# Altium PCB Lancelot.PcbDoc (part 4 of 14) (continued)
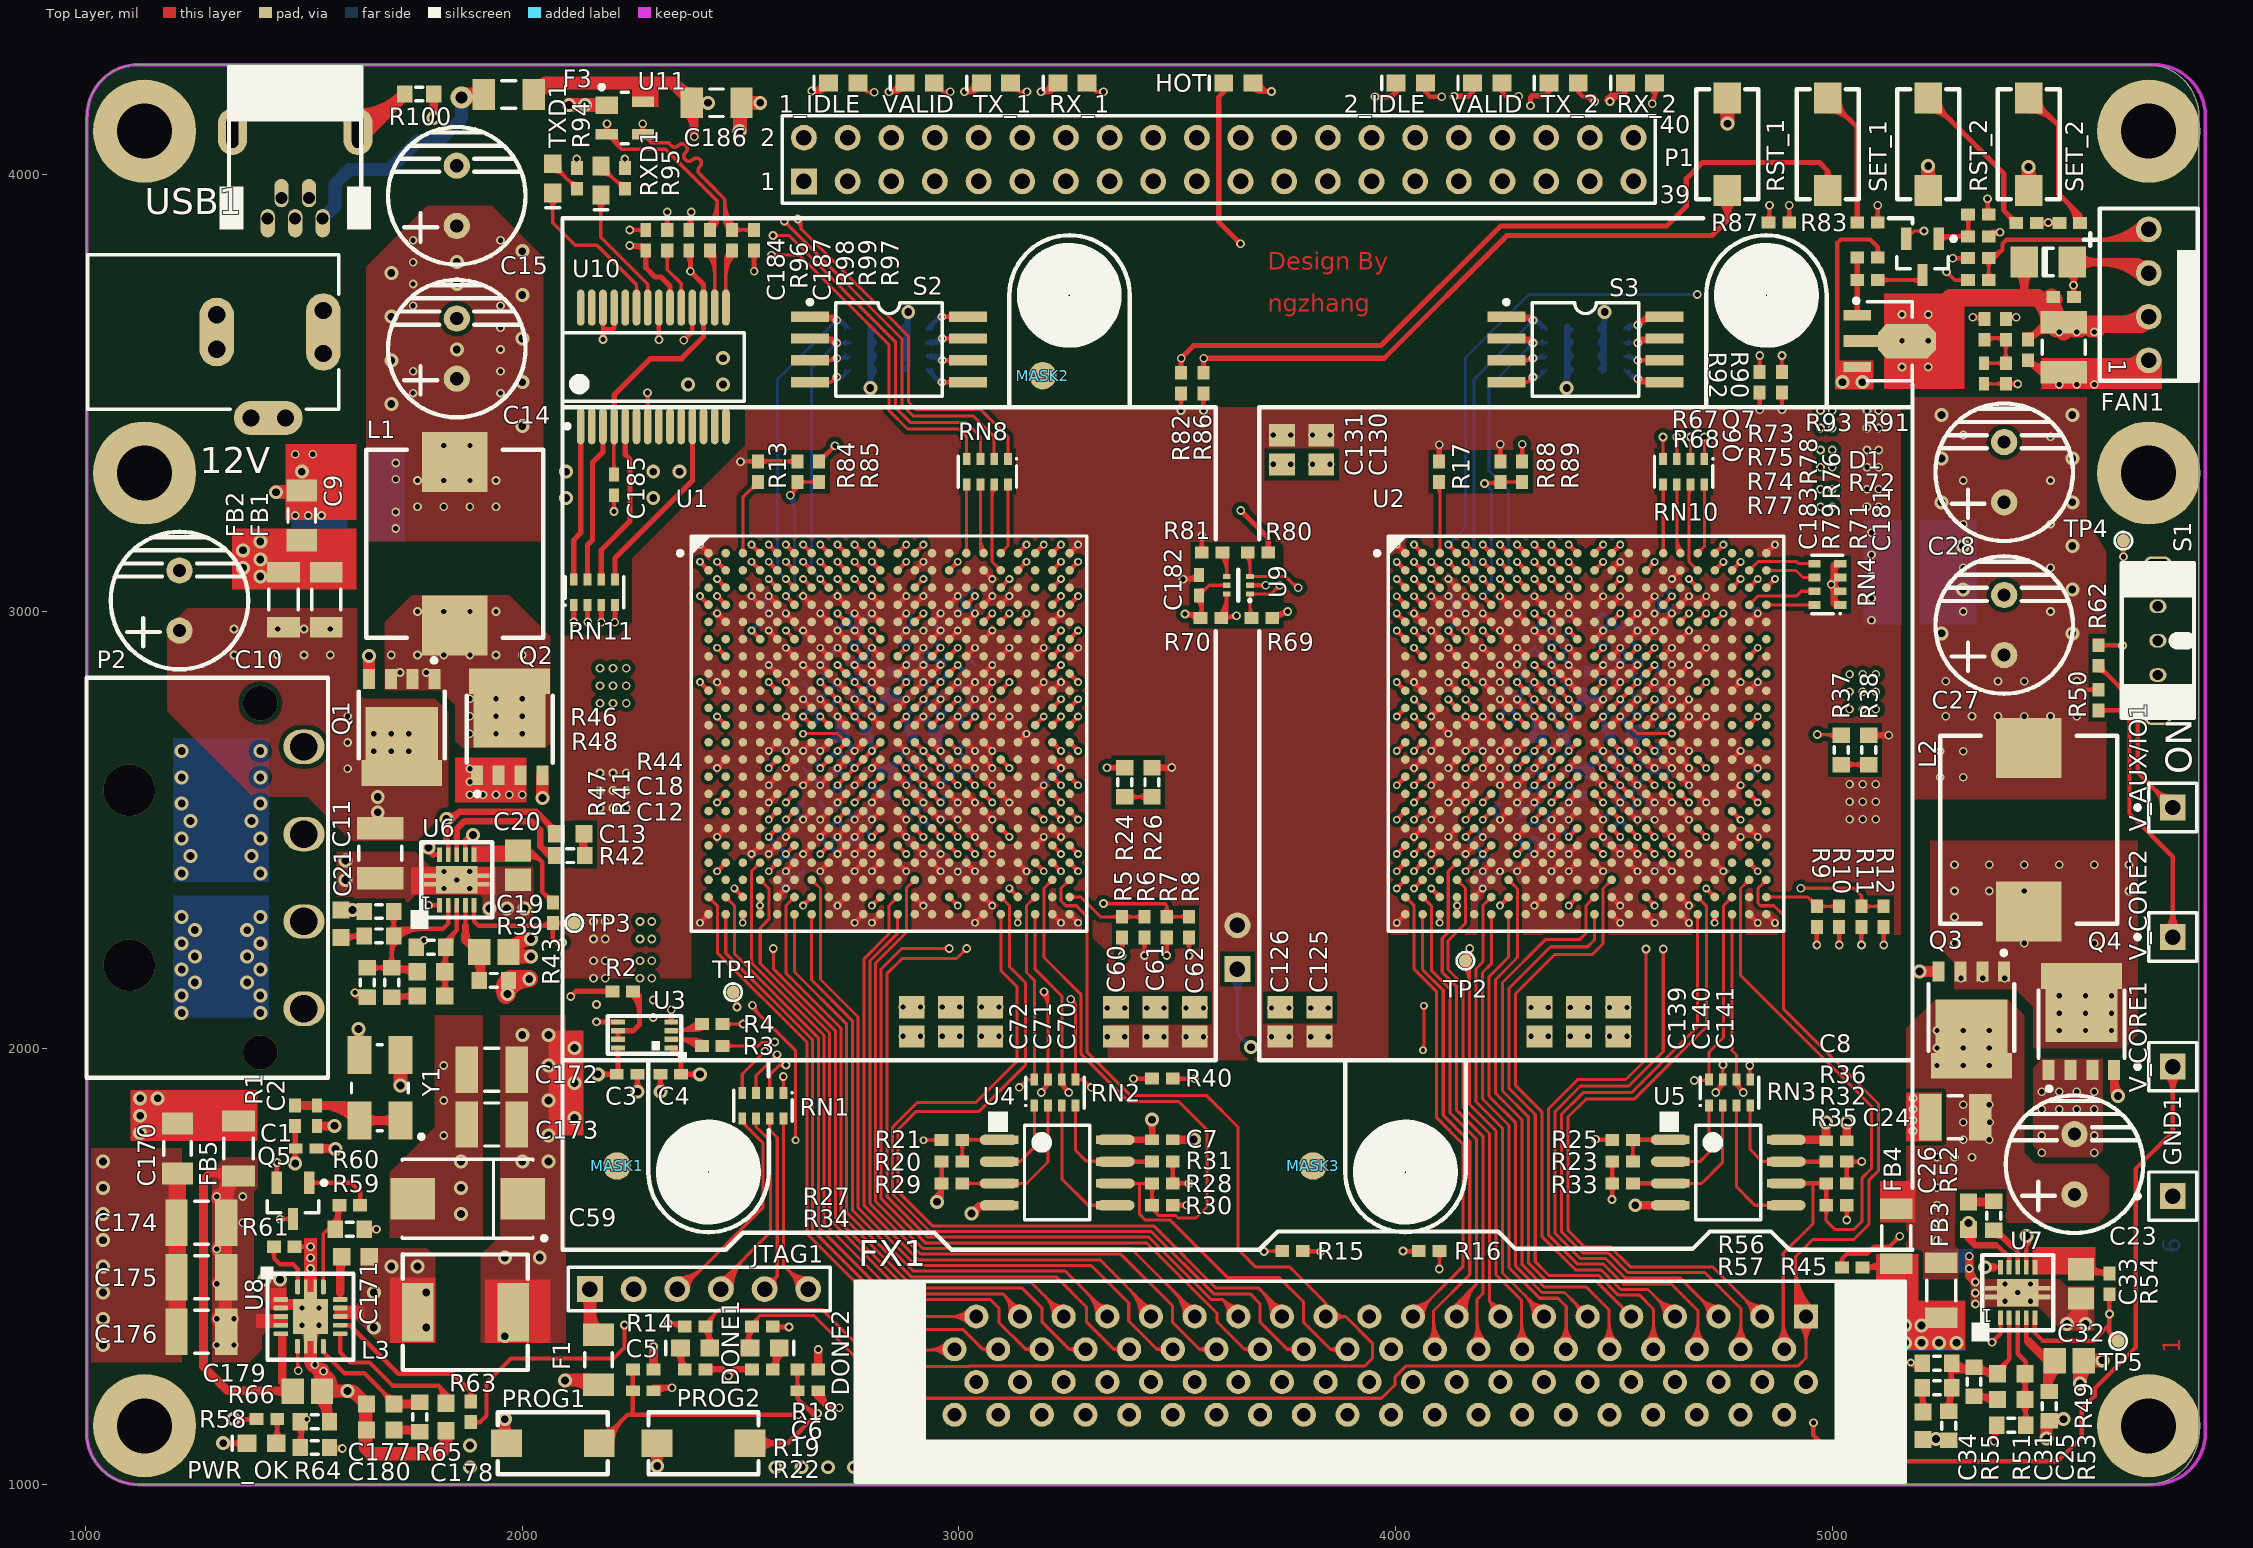
[diagram p0: Top Layer view]
## Nets (pads, with @x,y where several pads share a name; then routed paths per layer and width w, separated by ;. In a path a pad name is that pad's centre, name@x,y a point inside that pad or via, vN(x,y) a via of type N, cw(c..) or ccw(c..) an arc to the next point about the centre after c; other vN are vias at no path point) (continued)
FX1_FPGA1_3_P: P1.9 U1.C7 | length 1460.9
  Top Layer w10: v1@2643.15,3070.33 cw(c2643.15,3060.67) 2649.98,3067.5 cw(c2656.81,3074.33) v1@2647.15,3074.33 ; v1(2643.15,3074.33) U1.C7@2662.83,3054.65 ; U1.C7@2657.99,3054.65 ccw(c2646.3,3054.65) 2654.57,3062.91 ccw(c2662.83,3071.18) U1.C7@2662.83,3059.49
  Mid-Layer 4 w7: v1@2637.65,3074.33 ccw(c2624.37,3074.33) 2633.76,3083.72 ccw(c2643.15,3093.11) v1@2643.15,3079.83 ; v1(2643.15,3074.33) 2623.46,3094.02 2623.46,3211 2626.31,3213.84 2626.31,3250.73 2633.5,3257.92 2633.5,3274.08 2601,3306.58 2601,3708.8 2738.2,3846 2954,3846 2974.5,3866.5 ccw(c2966.72,3874.28) 2974.5,3882.06 2969.45,3887.11 cw(c2977.23,3894.88) 2969.45,3902.66 cw(c2977.23,3894.88) 2985.01,3902.66 2990.06,3897.61 ccw(c2997.83,3905.39) 3005.61,3897.61 3010.5,3902.5 3045,3937 ; P1.9@3030.8,3963.19 cw(c3013.76,3937) 3045,3937 ; P1.9@3034.62,3969.05 cw(c3022.16,3949.91) 3045,3949.91 cw(c3067.84,3949.91) P1.9@3055.38,3969.05 ; P1.9@3045,3970 3045,3937 ; P1.9@3059.2,3963.19 ccw(c3076.24,3937) 3045,3937
FX1_FPGA1_4_N: P1.12 U1.A8 | length 1593.8
  Top Layer w10: v1@2682.52,3149.07 cw(c2682.52,3139.41) 2689.35,3146.24 cw(c2696.18,3153.07) v1@2686.52,3153.07 ; v1(2682.52,3153.07) U1.A8@2702.2,3133.39 ; U1.A8@2697.36,3133.39 ccw(c2685.67,3133.39) 2693.94,3141.65 ccw(c2702.2,3149.92) U1.A8@2702.2,3138.23
  Mid-Layer 4 w7: v1@2678.63,3156.96 ccw(c2669.24,3166.35) 2682.52,3166.35 ccw(c2695.8,3166.35) v1@2686.41,3156.96 ; v1(2682.52,3153.07) 2682.52,3211 2680.68,3212.84 2680.68,3295.8 2653,3323.48 2653,3692 2752,3791 3032,3791 3184.03,3943.03 3184.03,4030.97 ; P1.12@3145,4058.97 cw(c3145,4032.35) 3163.83,4051.17 ; P1.12@3145,4070 3184.03,4030.97 ; P1.12@3149.89,4083.85 ccw(c3177.16,4077.45) 3157.36,4057.64 ; P1.12@3156.71,4082.25 ccw(c3191.56,4074.07) 3166.25,4048.75 ; P1.12@3163.52,4080.65 ccw(c3205.96,4070.68) 3175.14,4039.86 ; P1.12@3170.34,4079.05 ccw(c3220.35,4067.3) 3184.03,4030.97
FX1_FPGA1_4_P: P1.11 U1.B8 | length 1575.5
  Top Layer w10: v1@2682.52,3109.7 cw(c2682.52,3100.04) 2689.35,3106.87 cw(c2696.18,3113.7) v1@2686.52,3113.7 ; v1(2682.52,3113.7) U1.B8@2702.2,3094.02 ; U1.B8@2697.36,3094.02 ccw(c2685.67,3094.02) 2693.94,3102.28 ccw(c2702.2,3110.55) U1.B8@2702.2,3098.86
  Mid-Layer 4 w7: v1@2677.02,3113.7 ccw(c2663.74,3113.7) 2673.13,3123.09 ccw(c2682.52,3132.48) v1@2682.52,3119.2 ; v1(2682.52,3113.7) 2662.83,3133.39 2662.83,3211 2666.68,3214.84 2666.68,3290 2639,3317.68 2639,3697.8 2746.2,3805 3026.2,3805 3071,3849.8 ccw(c3063.22,3857.58) 3071,3865.36 3052.29,3884.07 cw(c3060.07,3891.85) 3052.29,3899.62 cw(c3060.07,3891.85) 3067.84,3899.62 3086.56,3880.91 ccw(c3094.33,3888.69) 3102.11,3880.91 3104.6,3883.4 3145,3923.8 ; P1.11@3126.95,3966.25 cw(c3086.07,3923.8) 3145,3923.8 ; P1.11@3131.8,3971.29 cw(c3101.92,3940.26) 3145,3940.26 cw(c3188.08,3940.26) P1.11@3158.2,3971.29 ; P1.11@3145,3970 3145,3923.8 ; P1.11@3163.05,3966.25 ccw(c3203.93,3923.8) 3145,3923.8
FX1_FPGA1_5_N: P1.14 U1.A9 | length 1642.1
  Top Layer w10: v1@2721.89,3149.07 cw(c2721.89,3139.41) 2728.72,3146.24 cw(c2735.55,3153.07) v1@2725.89,3153.07 ; v1(2721.89,3153.07) U1.A9@2741.57,3133.39 ; U1.A9@2736.73,3133.39 ccw(c2725.04,3133.39) 2733.31,3141.65 ccw(c2741.57,3149.92) U1.A9@2741.57,3138.23
  Mid-Layer 4 w7: v1@2718,3156.96 ccw(c2708.61,3166.35) 2721.89,3166.35 ccw(c2735.17,3166.35) v1@2725.78,3156.96 ; v1(2721.89,3153.07) 2721.89,3211 2720.05,3212.84 2720.05,3331.17 2692,3359.21 2692,3681 2762,3751 3067.8,3751 3247.77,3930.97 3261.17,3930.97 3284.03,3953.83 3284.03,4030.97 ; P1.14@3245,4058.97 cw(c3245,4032.35) 3263.83,4051.17 ; P1.14@3245,4070 3284.03,4030.97 ; P1.14@3249.89,4083.85 ccw(c3277.16,4077.45) 3257.36,4057.64 ; P1.14@3256.71,4082.25 ccw(c3291.56,4074.07) 3266.25,4048.75 ; P1.14@3263.52,4080.65 ccw(c3305.96,4070.68) 3275.14,4039.86 ; P1.14@3270.34,4079.05 ccw(c3320.35,4067.3) 3284.03,4030.97
FX1_FPGA1_5_P: P1.13 U1.C9 | length 1496.9
  Top Layer w10: v1@2721.89,3070.33 cw(c2721.89,3060.67) 2728.72,3067.5 cw(c2735.55,3074.33) v1@2725.89,3074.33 ; v1(2721.89,3074.33) U1.C9@2741.57,3054.65 ; U1.C9@2736.73,3054.65 ccw(c2725.04,3054.65) 2733.31,3062.91 ccw(c2741.57,3071.18) U1.C9@2741.57,3059.49
  Mid-Layer 4 w7: v1@2716.39,3074.33 ccw(c2703.11,3074.33) 2712.5,3083.72 ccw(c2721.89,3093.11) v1@2721.89,3079.83 ; v1(2721.89,3074.33) 2702.2,3094.02 2702.2,3211 2705.05,3213.84 2705.05,3324.95 2677,3353 2677,3687.21 2732.79,3743 2734.2,3743 2756.2,3765 3062,3765 3093.5,3796.5 ccw(c3085.72,3804.28) 3093.5,3812.06 cw(c3101.28,3819.83) 3093.5,3827.61 cw(c3101.28,3819.83) 3109.06,3827.61 ccw(c3116.83,3835.39) 3124.61,3827.61 ccw(c3116.83,3835.39) 3124.61,3843.17 cw(c3132.39,3850.95) 3124.61,3858.73 cw(c3132.39,3850.95) 3140.17,3858.73 ccw(c3147.95,3866.5) 3155.73,3858.73 3232,3935 3245,3948 ; P1.13@3236.2,3960.5 cw(c3231.72,3948) 3245,3948 ; P1.13@3245,3970 3245,3948 ; P1.13@3253.8,3960.5 ccw(c3258.28,3948) 3245,3948
FX1_FPGA1_6_N: P1.16 U1.A11 | length 1542.2
  Top Layer w10: v1@2800.63,3149.07 cw(c2800.63,3139.41) 2807.46,3146.24 cw(c2814.29,3153.07) v1@2804.63,3153.07 ; v1(2800.63,3153.07) U1.A11@2820.32,3133.39 ; U1.A11@2815.47,3133.39 ccw(c2803.78,3133.39) 2812.05,3141.65 ccw(c2820.32,3149.92) U1.A11@2820.32,3138.23
  Mid-Layer 4 w7: v1@2796.74,3156.96 ccw(c2787.35,3166.35) 2800.63,3166.35 ccw(c2813.91,3166.35) v1@2804.52,3156.96 ; v1(2800.63,3153.07) 2800.63,3211 2798.79,3212.84 2798.79,3438.79 2909,3549 2909,3652 2969,3712 3109.86,3712 3328.83,3930.97 3361.17,3930.97 3384.03,3953.83 3384.03,4030.97 ; P1.16@3345,4058.97 cw(c3345,4032.35) 3363.83,4051.17 ; P1.16@3345,4070 3384.03,4030.97 ; P1.16@3349.89,4083.85 ccw(c3377.16,4077.45) 3357.36,4057.64 ; P1.16@3356.71,4082.25 ccw(c3391.56,4074.07) 3366.25,4048.75 ; P1.16@3363.52,4080.65 ccw(c3405.96,4070.68) 3375.14,4039.86 ; P1.16@3370.34,4079.05 ccw(c3420.35,4067.3) 3384.03,4030.97
FX1_FPGA1_6_P: P1.15 U1.C11 | length 1373.8
  Top Layer w10: v1@2800.63,3070.33 cw(c2800.63,3060.67) 2807.46,3067.5 cw(c2814.29,3074.33) v1@2804.63,3074.33 ; v1(2800.63,3074.33) U1.C11@2820.32,3054.65 ; U1.C11@2815.47,3054.65 ccw(c2803.78,3054.65) 2812.05,3062.91 ccw(c2820.32,3071.18) U1.C11@2820.32,3059.49
  Mid-Layer 4 w7: v1@2795.13,3074.33 ccw(c2781.85,3074.33) 2791.24,3083.72 ccw(c2800.63,3093.11) v1@2800.63,3079.83 ; v1(2800.63,3074.33) 2780.94,3094.02 2780.94,3211 2783.79,3213.84 2783.79,3445 2894,3555.21 2894,3655 2895,3656 2895,3657.8 2963.2,3726 3104.06,3726 3203.03,3824.97 ccw(c3195.25,3832.75) 3203.03,3840.52 3201.8,3841.75 cw(c3209.58,3849.53) 3201.8,3857.31 cw(c3209.58,3849.53) 3217.36,3857.31 3218.59,3856.08 ccw(c3226.37,3863.86) 3234.14,3856.08 ccw(c3226.37,3863.86) 3234.14,3871.64 3232.91,3872.87 cw(c3240.69,3880.64) 3232.91,3888.42 cw(c3240.69,3880.64) 3248.47,3888.42 3249.7,3887.19 ccw(c3257.48,3894.97) 3265.26,3887.19 3331.72,3953.66 ; P1.15@3344.74,3958.97 ccw(c3344.55,3940.83) 3331.72,3953.66 ; P1.15@3345,3970 3345,3966.94 3331.72,3953.66
FX1_FPGA1_7_N: P1.18 U1.A12 | length 1654.4
  Top Layer w10: U1.A12@2859.69,3133.39 v1(2879.37,3153.07) ; U1.A12@2859.69,3138.23 ccw(c2859.69,3149.92) 2867.95,3141.65 ccw(c2876.22,3133.39) U1.A12@2864.53,3133.39 ; v1@2875.37,3153.07 cw(c2865.71,3153.07) 2872.54,3146.24 cw(c2879.37,3139.41) v1@2879.37,3149.07
  Mid-Layer 4 w7: v1@2875.48,3156.96 ccw(c2866.09,3166.35) 2879.37,3166.35 ccw(c2892.65,3166.35) v1@2883.26,3156.96 ; v1(2879.37,3153.07) 2879.37,3211 2877.53,3212.84 2877.53,3394.53 2930,3447 3279.8,3447 3459,3626.2 3459,3920 3484.03,3945.03 3484.03,4030.97 ; P1.18@3445,4058.97 cw(c3445,4032.35) 3463.83,4051.17 ; P1.18@3445,4070 3484.03,4030.97 ; P1.18@3449.89,4083.85 ccw(c3477.16,4077.45) 3457.36,4057.64 ; P1.18@3456.71,4082.25 ccw(c3491.56,4074.07) 3466.25,4048.75 ; P1.18@3463.52,4080.65 ccw(c3505.96,4070.68) 3475.14,4039.86 ; P1.18@3470.34,4079.05 ccw(c3520.35,4067.3) 3484.03,4030.97
FX1_FPGA1_7_P: P1.17 U1.B12 | length 1642.3
  Top Layer w10: U1.B12@2859.69,3094.02 v1(2879.37,3113.7) ; U1.B12@2859.69,3098.86 ccw(c2859.69,3110.55) 2867.95,3102.28 ccw(c2876.22,3094.02) U1.B12@2864.53,3094.02 ; v1@2875.37,3113.7 cw(c2865.71,3113.7) 2872.54,3106.87 cw(c2879.37,3100.04) v1@2879.37,3109.7
  Mid-Layer 4 w7: v1@2873.87,3113.7 ccw(c2860.6,3113.7) 2869.98,3123.09 ccw(c2879.37,3132.48) v1@2879.37,3119.2 ; v1(2879.37,3113.7) 2859.69,3133.39 2859.69,3211 2862.53,3213.84 2862.53,3400.74 2922.79,3461 3274,3461 3445,3632 3445,3820 ccw(c3434,3820) 3434,3831 3408.25,3831 cw(c3408.25,3842) 3397.25,3842 cw(c3408.25,3842) 3408.25,3853 3434,3853 ccw(c3434,3864) 3445,3864 P1.17@3445,3970 ; P1.17@3426.6,3966.6 cw(c3382.16,3922.16) 3445,3922.16 cw(c3507.84,3922.16) P1.17@3463.4,3966.6 ; P1.17@3431.55,3971.55 cw(c3399.06,3939.06) 3445,3939.06 cw(c3490.94,3939.06) P1.17@3458.45,3971.55
FX1_FPGA1_8_N: P1.20 U1.A13 | length 1671.9
  Top Layer w10: U1.A13@2899.06,3133.39 v1(2918.74,3153.07) ; U1.A13@2899.06,3138.23 ccw(c2899.06,3149.92) 2907.32,3141.65 ccw(c2915.59,3133.39) U1.A13@2903.9,3133.39 ; v1@2914.74,3153.07 cw(c2905.08,3153.07) 2911.91,3146.24 cw(c2918.74,3139.41) v1@2918.74,3149.07
  Mid-Layer 4 w7: v1@2914.85,3156.96 ccw(c2905.46,3166.35) 2918.74,3166.35 ccw(c2932.02,3166.35) v1@2922.63,3156.96 ; v1(2918.74,3153.07) 2918.74,3211 2916.99,3212.75 2916.99,3360.99 2957,3401 3293.8,3401 3559,3666.2 3559,3825.79 3584.03,3850.81 3584.03,4030.97 ; P1.20@3545,4058.97 cw(c3545,4032.35) 3563.83,4051.17 ; P1.20@3545,4070 3584.03,4030.97 ; P1.20@3549.89,4083.85 ccw(c3577.16,4077.45) 3557.36,4057.64 ; P1.20@3556.71,4082.25 ccw(c3591.56,4074.07) 3566.25,4048.75 ; P1.20@3563.52,4080.65 ccw(c3605.96,4070.68) 3575.14,4039.86 ; P1.20@3570.34,4079.05 ccw(c3620.35,4067.3) 3584.03,4030.97
FX1_FPGA1_8_P: P1.19 U1.C13 | length 1655.6
  Top Layer w10: U1.C13@2899.06,3054.65 v1(2918.74,3074.33) ; U1.C13@2899.06,3059.49 ccw(c2899.06,3071.18) 2907.32,3062.91 ccw(c2915.59,3054.65) U1.C13@2903.9,3054.65 ; v1@2914.74,3074.33 cw(c2905.08,3074.33) 2911.91,3067.5 cw(c2918.74,3060.67) v1@2918.74,3070.33
  Mid-Layer 4 w7: v1@2913.24,3074.33 ccw(c2899.97,3074.33) 2909.35,3083.72 ccw(c2918.74,3093.11) v1@2918.74,3079.83 ; v1(2918.74,3074.33) 2899.24,3093.83 2899.24,3211 2901.99,3213.75 2901.99,3367.2 2949.79,3415 3288,3415 3545,3672 3545,3846 cw(c3556,3846) 3556,3857 3560.03,3857 ccw(c3560.03,3868) 3571.03,3868 ccw(c3560.03,3868) 3560.03,3879 3556,3879 cw(c3556,3890) 3545,3890 P1.19@3545,3970 ; P1.19@3526.6,3966.6 cw(c3482.16,3922.16) 3545,3922.16 cw(c3607.84,3922.16) P1.19@3563.4,3966.6 ; P1.19@3531.55,3971.55 cw(c3499.06,3939.06) 3545,3939.06 cw(c3590.94,3939.06) P1.19@3558.45,3971.55
FX1_FPGA2_1_N: P1.24 U2.A5 | length 1388.2
  Top Layer w10: v1@4160.4,3149 cw(c4160.4,3139.34) 4167.23,3146.17 cw(c4174.06,3153) v1@4164.4,3153 ; v1(4160.4,3153) U2.A5@4180.09,3133.32 ; U2.A5@4175.24,3133.32 ccw(c4163.55,3133.32) 4171.82,3141.58 ccw(c4180.09,3149.85) U2.A5@4180.09,3138.16
  Mid-Layer 4 w7: 3714.86,4039.86 ccw(c3684.04,4070.68) P1.24@3726.48,4080.65 ; P1.24@3719.66,4079.05 cw(c3669.65,4067.3) 3705.97,4030.97 ; 3723.75,4048.75 ccw(c3698.44,4074.07) P1.24@3733.29,4082.25 ; 3726.17,4051.17 cw(c3745,4032.35) P1.24@3745,4058.97 ; 3732.64,4057.64 ccw(c3712.84,4077.45) P1.24@3740.11,4083.85 ; P1.24@3745,4070 3705.97,4030.97 ; v1@4156.51,3156.89 ccw(c4147.12,3166.28) 4160.4,3166.28 ccw(c4173.68,3166.28) v1@4164.29,3156.89 ; v1(4160.4,3153) 4160.4,3211 4163.24,3213.84 4163.24,3231.17 3730,3664.41 3730,3929.81 3705.97,3953.83 3705.97,4030.97
FX1_FPGA2_1_P: P1.23 U2.C5 | length 1376.2
  Top Layer w10: v1@4160.4,3070.26 cw(c4160.4,3060.6) 4167.23,3067.43 cw(c4174.06,3074.26) v1@4164.4,3074.26 ; v1(4160.4,3074.26) U2.C5@4180.09,3054.57 ; U2.C5@4175.24,3054.57 ccw(c4163.55,3054.57) 4171.82,3062.84 ccw(c4180.09,3071.11) U2.C5@4180.09,3059.42
  Mid-Layer 4 w7: P1.23@3726.6,3966.6 cw(c3682.16,3922.16) 3745,3922.16 cw(c3807.84,3922.16) P1.23@3763.4,3966.6 ; P1.23@3731.55,3971.55 cw(c3699.06,3939.06) 3745,3939.06 cw(c3790.94,3939.06) P1.23@3758.45,3971.55 ; P1.23@3745,3970 3745,3880 ccw(c3756,3880) 3756,3869 3762.97,3869 cw(c3762.97,3858) 3773.97,3858 cw(c3762.97,3858) 3762.97,3847 3756,3847 ccw(c3756,3836) 3745,3836 3745,3790 3745,3670.62 4178.24,3237.38 4178.24,3212.84 4180.09,3211 4180.09,3093.94 v1(4160.4,3074.26) ; v1@4160.4,3079.76 ccw(c4160.4,3093.04) 4169.79,3083.65 ccw(c4179.17,3074.26) v1@4165.9,3074.26
FX1_FPGA2_2_N: P1.26 U2.A6 | length 1363.1
  Top Layer w10: v1@4199.77,3149 cw(c4199.77,3139.34) 4206.6,3146.17 cw(c4213.43,3153) v1@4203.77,3153 ; v1(4199.77,3153) U2.A6@4219.46,3133.32 ; U2.A6@4214.61,3133.32 ccw(c4202.92,3133.32) 4211.19,3141.58 ccw(c4219.46,3149.85) U2.A6@4219.46,3138.16
  Mid-Layer 4 w7: 3814.86,4039.86 ccw(c3784.04,4070.68) P1.26@3826.48,4080.65 ; P1.26@3819.66,4079.05 cw(c3769.65,4067.3) 3805.97,4030.97 ; 3823.75,4048.75 ccw(c3798.44,4074.07) P1.26@3833.29,4082.25 ; 3826.17,4051.17 cw(c3845,4032.35) P1.26@3845,4058.97 ; 3832.64,4057.64 ccw(c3812.84,4077.45) P1.26@3840.11,4083.85 ; P1.26@3845,4070 3805.97,4030.97 ; v1@4195.88,3156.89 ccw(c4186.49,3166.28) 4199.77,3166.28 ccw(c4213.05,3166.28) v1@4203.66,3156.89 ; v1(4199.77,3153) 4199.77,3211 4202.61,3213.84 4202.61,3244.39 4122,3325 4122,3420 3829,3713 3829,3930.81 3805.97,3953.83 3805.97,4030.97
FX1_FPGA2_2_P: P1.25 U2.B6 | length 1376.7
  Top Layer w10: v1@4199.77,3109.63 cw(c4199.77,3099.97) 4206.6,3106.8 cw(c4213.43,3113.63) v1@4203.77,3113.63 ; v1(4199.77,3113.63) U2.B6@4219.46,3093.94 ; U2.B6@4214.61,3093.94 ccw(c4202.92,3093.94) 4211.19,3102.21 ccw(c4219.46,3110.48) U2.B6@4219.46,3098.79
  Mid-Layer 4 w7: P1.25@3826.6,3966.6 cw(c3784.58,3924.58) 3844,3924.58 ; P1.25@3831.55,3971.55 cw(c3801.48,3941.48) 3844,3941.48 ; 3844,3919.75 cw(c3910.25,3919.75) P1.25@3863.4,3966.6 ; 3844,3936.65 cw(c3893.35,3936.65) P1.25@3858.45,3971.55 ; 3844,3953.55 cw(c3876.45,3953.55) P1.25@3853.5,3976.5 ; P1.25@3845,3970 3844,3969 3844,3904 ccw(c3855,3904) 3855,3893 3881.29,3893 cw(c3881.29,3882) 3892.29,3882 cw(c3881.29,3882) 3881.29,3871 3855,3871 ccw(c3855,3860) 3844,3860 3844,3780 3844,3717.8 4136,3425.8 4136,3421 4137,3420 4137,3331.21 4217.61,3250.6 4217.61,3212.84 4219.45,3211 4219.45,3133.32 v1(4199.77,3113.63) ; v1@4199.77,3119.13 ccw(c4199.77,3132.41) 4209.16,3123.02 ccw(c4218.55,3113.63) v1@4205.27,3113.63
FX1_FPGA2_3_N: P1.28 U2.A7 | length 1338
  Top Layer w10: v1@4239.14,3149 cw(c4239.14,3139.34) 4245.97,3146.17 cw(c4252.8,3153) v1@4243.14,3153 ; v1(4239.14,3153) U2.A7@4258.83,3133.32 ; U2.A7@4253.98,3133.32 ccw(c4242.29,3133.32) 4250.56,3141.58 ccw(c4258.83,3149.85) U2.A7@4258.83,3138.16
  Mid-Layer 4 w7: 3914.86,4039.86 ccw(c3884.04,4070.68) P1.28@3926.48,4080.65 ; P1.28@3919.66,4079.05 cw(c3869.65,4067.3) 3905.97,4030.97 ; 3923.75,4048.75 ccw(c3898.44,4074.07) P1.28@3933.29,4082.25 ; 3926.17,4051.17 cw(c3945,4032.35) P1.28@3945,4058.97 ; 3932.64,4057.64 ccw(c3912.84,4077.45) P1.28@3940.11,4083.85 ; P1.28@3945,4070 3905.97,4030.97 ; v1@4235.25,3156.89 ccw(c4225.86,3166.28) 4239.14,3166.28 ccw(c4252.42,3166.28) v1@4243.03,3156.89 ; v1(4239.14,3153) 4239.14,3211 4241.98,3213.84 4241.98,3284.22 4169.97,3356.23 4169.97,3357.03 4168.97,3358.03 4168.97,3476.03 3927,3718 3927,3932.81 3905.97,3953.83 3905.97,4030.97
FX1_FPGA2_3_P: P1.27 U2.C7 | length 1357.1
  Top Layer w10: v1@4239.14,3070.26 cw(c4239.14,3060.6) 4245.97,3067.43 cw(c4252.8,3074.26) v1@4243.14,3074.26 ; v1(4239.14,3074.26) U2.C7@4258.83,3054.57 ; U2.C7@4253.98,3054.57 ccw(c4242.29,3054.57) 4250.56,3062.84 ccw(c4258.83,3071.11) U2.C7@4258.83,3059.42
  Mid-Layer 4 w7: P1.27@3926.6,3966.6 cw(c3889.41,3929.41) 3942,3929.41 ; P1.27@3931.55,3971.55 cw(c3906.31,3946.31) 3942,3946.31 ; 3942,3914.92 cw(c4015.08,3914.92) P1.27@3963.4,3966.6 ; 3942,3931.82 cw(c3998.18,3931.82) P1.27@3958.45,3971.55 ; 3942,3948.72 cw(c3981.28,3948.72) P1.27@3953.5,3976.5 ; P1.27@3945,3970 3942,3967 3942,3902 ccw(c3953,3902) 3953,3891 3958.84,3891 cw(c3958.84,3880) 3969.84,3880 cw(c3958.84,3880) 3958.84,3869 3953,3869 ccw(c3953,3858) 3942,3858 3942,3852 3942,3724.21 4183.97,3482.25 4183.97,3362.03 4256.98,3289.02 4256.98,3212.84 4258.83,3211 4258.83,3093.95 v1(4239.14,3074.26) ; v1@4239.14,3079.76 ccw(c4239.14,3093.04) 4248.53,3083.65 ccw(c4257.92,3074.26) v1@4244.64,3074.26
FX1_FPGA2_4_N: P1.30 U2.A8 | length 1312.9
  Top Layer w10: v1@4278.51,3149 cw(c4278.51,3139.34) 4285.34,3146.17 cw(c4292.17,3153) v1@4282.51,3153 ; v1(4278.51,3153) U2.A8@4298.2,3133.32 ; U2.A8@4293.35,3133.32 ccw(c4281.66,3133.32) 4289.93,3141.58 ccw(c4298.2,3149.85) U2.A8@4298.2,3138.16
  Mid-Layer 4 w7: 4014.86,4039.86 ccw(c3984.04,4070.68) P1.30@4026.48,4080.65 ; P1.30@4019.66,4079.05 cw(c3969.65,4067.3) 4005.97,4030.97 ; 4023.75,4048.75 ccw(c3998.44,4074.07) P1.30@4033.29,4082.25 ; 4026.17,4051.17 cw(c4045,4032.35) P1.30@4045,4058.97 ; 4032.64,4057.64 ccw(c4012.84,4077.45) P1.30@4040.11,4083.85 ; P1.30@4045,4070 4005.97,4030.97 ; v1@4274.62,3156.89 ccw(c4265.23,3166.28) 4278.51,3166.28 ccw(c4291.79,3166.28) v1@4282.4,3156.89 ; v1(4278.51,3153) 4278.51,3211 4281.35,3213.84 4281.35,3288.49 4205,3364.84 4205,3508 4029,3684 4029,3930.81 4005.97,3953.83 4005.97,4030.97
FX1_FPGA2_4_P: P1.29 U2.B8 | length 1326.7
  Top Layer w10: v1@4278.51,3109.63 cw(c4278.51,3099.97) 4285.34,3106.8 cw(c4292.17,3113.63) v1@4282.51,3113.63 ; v1(4278.51,3113.63) U2.B8@4298.2,3093.94 ; U2.B8@4293.35,3093.94 ccw(c4281.66,3093.94) 4289.93,3102.21 ccw(c4298.2,3110.48) U2.B8@4298.2,3098.79
  Mid-Layer 4 w7: P1.29@4026.6,3966.6 cw(c3984.58,3924.58) 4044,3924.58 ; P1.29@4031.55,3971.55 cw(c4001.48,3941.48) 4044,3941.48 ; 4044,3919.75 cw(c4110.25,3919.75) P1.29@4063.4,3966.6 ; 4044,3936.65 cw(c4093.35,3936.65) P1.29@4058.45,3971.55 ; 4044,3953.55 cw(c4076.45,3953.55) P1.29@4053.5,3976.5 ; P1.29@4045,3970 4044,3969 4044,3911 ccw(c4055,3911) 4055,3900 4081.41,3900 cw(c4081.41,3889) 4092.41,3889 cw(c4081.41,3889) 4081.41,3878 4055,3878 ccw(c4055,3867) 4044,3867 4044,3837 4044,3690.21 4220,3514.21 4220,3369.64 4296.35,3293.29 4296.35,3212.84 4298.2,3211 4298.2,3133.32 v1(4278.51,3113.63) ; v1@4278.51,3119.13 ccw(c4278.51,3132.41) 4287.9,3123.02 ccw(c4297.28,3113.63) v1@4284.01,3113.63
FX1_FPGA2_5_N: P1.32 U2.A9 | length 1287.8
  Top Layer w10: v1@4317.88,3149 cw(c4317.88,3139.34) 4324.71,3146.17 cw(c4331.54,3153) v1@4321.88,3153 ; v1(4317.88,3153) U2.A9@4337.57,3133.32 ; U2.A9@4332.72,3133.32 ccw(c4321.03,3133.32) 4329.3,3141.58 ccw(c4337.57,3149.85) U2.A9@4337.57,3138.16
  Mid-Layer 4 w7: 4114.86,4039.86 ccw(c4084.04,4070.68) P1.32@4126.48,4080.65 ; P1.32@4119.66,4079.05 cw(c4069.65,4067.3) 4105.97,4030.97 ; 4123.75,4048.75 ccw(c4098.44,4074.07) P1.32@4133.29,4082.25 ; 4126.17,4051.17 cw(c4145,4032.35) P1.32@4145,4058.97 ; 4132.64,4057.64 ccw(c4112.84,4077.45) P1.32@4140.11,4083.85 ; P1.32@4145,4070 4105.97,4030.97 ; v1@4313.99,3156.89 ccw(c4304.6,3166.28) 4317.88,3166.28 ccw(c4331.16,3166.28) v1@4321.77,3156.89 ; v1(4317.88,3153) 4317.88,3211 4320.72,3213.84 4320.72,3393.28 4248,3466 4248,3548 4130,3666 4130,3929.81 4105.97,3953.83 4105.97,4030.97
FX1_FPGA2_5_P: P1.31 U2.C9 | length 1276.2
  Top Layer w10: v1@4317.88,3070.26 cw(c4317.88,3060.6) 4324.71,3067.43 cw(c4331.54,3074.26) v1@4321.88,3074.26 ; v1(4317.88,3074.26) U2.C9@4337.57,3054.57 ; U2.C9@4332.72,3054.57 ccw(c4321.03,3054.57) 4329.3,3062.84 ccw(c4337.57,3071.11) U2.C9@4337.57,3059.42
  Mid-Layer 4 w7: P1.31@4126.6,3966.6 cw(c4082.16,3922.16) 4145,3922.16 cw(c4207.84,3922.16) P1.31@4163.4,3966.6 ; P1.31@4131.55,3971.55 cw(c4099.06,3939.06) 4145,3939.06 cw(c4190.94,3939.06) P1.31@4158.45,3971.55 ; P1.31@4145,3970 4145,3910 ccw(c4156,3910) 4156,3899 4163.19,3899 cw(c4163.19,3888) 4174.19,3888 cw(c4163.19,3888) 4163.19,3877 4156,3877 ccw(c4156,3866) 4145,3866 4145,3791 4145,3672.21 4263,3554.21 4263,3472.21 4335.72,3399.49 4335.72,3212.84 4337.57,3211 4337.57,3093.94 v1(4317.88,3074.26) ; v1@4317.88,3079.76 ccw(c4317.88,3093.04) 4327.27,3083.65 ccw(c4336.65,3074.26) v1@4323.38,3074.26
FX1_FPGA2_6_N: P1.34 U2.A11 | length 1301.3
  Top Layer w10: v1@4396.62,3149 cw(c4396.62,3139.34) 4403.45,3146.17 cw(c4410.28,3153) v1@4400.62,3153 ; v1(4396.62,3153) U2.A11@4416.31,3133.32 ; U2.A11@4411.46,3133.32 ccw(c4399.77,3133.32) 4408.04,3141.58 ccw(c4416.31,3149.85) U2.A11@4416.31,3138.16
  Mid-Layer 4 w7: 4214.86,4039.86 ccw(c4184.04,4070.68) P1.34@4226.48,4080.65 ; P1.34@4219.66,4079.05 cw(c4169.65,4067.3) 4205.97,4030.97 ; 4223.75,4048.75 ccw(c4198.44,4074.07) P1.34@4233.29,4082.25 ; 4226.17,4051.17 cw(c4245,4032.35) P1.34@4245,4058.97 ; 4232.64,4057.64 ccw(c4212.84,4077.45) P1.34@4240.11,4083.85 ; P1.34@4245,4070 4205.97,4030.97 ; v1@4392.73,3156.89 ccw(c4383.34,3166.28) 4396.62,3166.28 ccw(c4409.9,3166.28) v1@4400.51,3156.89 ; v1(4396.62,3153) 4396.62,3211 4399.46,3213.84 4399.46,3458.68 4426.39,3485.61 4426.39,3535.61 4392,3570 4392,3571.41 4388.61,3574.81 4388.61,3648.18 4230,3806.79 4230,3929.81 4205.97,3953.83 4205.97,4030.97
FX1_FPGA2_6_P: P1.33 U2.C11 | length 1289.2
  Top Layer w10: v1@4396.62,3070.26 cw(c4396.62,3060.6) 4403.45,3067.43 cw(c4410.28,3074.26) v1@4400.62,3074.26 ; v1(4396.62,3074.26) U2.C11@4416.31,3054.57 ; U2.C11@4411.46,3054.57 ccw(c4399.77,3054.57) 4408.04,3062.84 ccw(c4416.31,3071.11) U2.C11@4416.31,3059.42
  Mid-Layer 4 w7: P1.33@4226.6,3966.6 cw(c4182.16,3922.16) 4245,3922.16 cw(c4307.84,3922.16) P1.33@4263.4,3966.6 ; P1.33@4231.55,3971.55 cw(c4199.06,3939.06) 4245,3939.06 cw(c4290.94,3939.06) P1.33@4258.45,3971.55 ; P1.33@4245,3970 4245,3903 ccw(c4256,3903) 4256,3892 4263.36,3892 cw(c4263.36,3881) 4274.36,3881 cw(c4263.36,3881) 4263.36,3870 4256,3870 ccw(c4256,3859) 4245,3859 4245,3813 4402.61,3655.39 4402.61,3580.61 4437,3546.21 4437,3544.8 4440.39,3541.41 4440.39,3479.81 4437,3476.41 4437,3475 4414.46,3452.46 4414.46,3212.84 4416.31,3211 4416.31,3093.95 v1(4396.62,3074.26) ; v1@4396.62,3079.76 ccw(c4396.62,3093.04) 4406.01,3083.65 ccw(c4415.4,3074.26) v1@4402.12,3074.26
FX1_FPGA2_7_N: P1.36 U2.A12 | length 1256.2
  Top Layer w10: U2.A12@4455.68,3133.32 v1(4475.36,3153) ; U2.A12@4455.68,3138.16 ccw(c4455.68,3149.85) 4463.94,3141.58 ccw(c4472.21,3133.32) U2.A12@4460.52,3133.32 ; v1@4471.36,3153 cw(c4461.71,3153) 4468.53,3146.17 cw(c4475.36,3139.34) v1@4475.36,3149
  Mid-Layer 4 w7: P1.36@4345,4058.97 cw(c4345,4032.35) 4363.83,4051.17 ; P1.36@4345,4070 4384.03,4030.97 ; P1.36@4349.89,4083.85 ccw(c4377.16,4077.45) 4357.36,4057.64 ; P1.36@4356.71,4082.25 ccw(c4391.56,4074.07) 4366.25,4048.75 ; P1.36@4363.52,4080.65 ccw(c4405.96,4070.68) 4375.14,4039.86 ; P1.36@4370.34,4079.05 ccw(c4420.35,4067.3) 4384.03,4030.97 ; v1@4471.47,3156.89 ccw(c4462.09,3166.28) 4475.36,3166.28 ccw(c4488.64,3166.28) v1@4479.25,3156.89 ; v1(4475.36,3153) 4475.36,3211 4473.52,3212.84 4473.52,3578.69 4441,3611.21 4441,3729 4440,3730 4440,3734.8 4359,3815.8 4359,3928.81 4384.03,3953.83 4384.03,4030.97
FX1_FPGA2_7_P: P1.35 U2.B12 | length 1244.2
  Top Layer w10: U2.B12@4455.68,3093.94 v1(4475.36,3113.63) ; U2.B12@4455.68,3098.79 ccw(c4455.68,3110.48) 4463.94,3102.21 ccw(c4472.21,3093.94) U2.B12@4460.52,3093.94 ; v1@4471.36,3113.63 cw(c4461.71,3113.63) 4468.53,3106.8 cw(c4475.36,3099.97) v1@4475.36,3109.63
  Mid-Layer 4 w7: P1.35@4326.6,3966.6 cw(c4282.16,3922.16) 4345,3922.16 cw(c4407.84,3922.16) P1.35@4363.4,3966.6 ; P1.35@4331.55,3971.55 cw(c4299.06,3939.06) 4345,3939.06 cw(c4390.94,3939.06) P1.35@4358.45,3971.55 ; P1.35@4345,3970 4345,3907 4345,3896 4345,3885 cw(c4334,3885) 4334,3874 4307.34,3874 ccw(c4307.34,3863) 4296.34,3863 ccw(c4307.34,3863) 4307.34,3852 4334,3852 cw(c4334,3841) 4345,3841 4345,3814 4345,3810 4426,3729 4426,3605 4458.52,3572.48 4458.52,3213.84 4455.68,3211 4455.68,3133.32 v1(4475.36,3113.63) ; v1@4469.86,3113.63 ccw(c4456.59,3113.63) 4465.97,3123.02 ccw(c4475.36,3132.41) v1@4475.36,3119.13
FX1_FPGA2_8_N: P1.38 U2.A13 | length 1243.6
  Top Layer w10: U2.A13@4495.05,3133.32 v1(4514.73,3153) ; U2.A13@4495.05,3138.16 ccw(c4495.05,3149.85) 4503.31,3141.58 ccw(c4511.58,3133.32) U2.A13@4499.89,3133.32 ; v1@4510.73,3153 cw(c4501.08,3153) 4507.9,3146.17 cw(c4514.73,3139.34) v1@4514.73,3149
  Mid-Layer 4 w7: P1.38@4445,4058.97 cw(c4445,4032.35) 4463.83,4051.17 ; P1.38@4445,4070 4484.03,4030.97 ; P1.38@4449.89,4083.85 ccw(c4477.16,4077.45) 4457.36,4057.64 ; P1.38@4456.71,4082.25 ccw(c4491.56,4074.07) 4466.25,4048.75 ; P1.38@4463.52,4080.65 ccw(c4505.96,4070.68) 4475.14,4039.86 ; P1.38@4470.34,4079.05 ccw(c4520.35,4067.3) 4484.03,4030.97 ; v1@4510.84,3156.89 ccw(c4501.45,3166.28) 4514.73,3166.28 ccw(c4528.01,3166.28) v1@4518.62,3156.89 ; v1(4514.73,3153) 4514.73,3211 4512.89,3212.84 4512.89,3636.89 4529,3653 4529,3759.21 4460,3828.21 4460,3929.81 4484.03,3953.83 4484.03,4030.97
FX1_FPGA2_8_P: P1.37 U2.C13 | length 1231.2
  Top Layer w10: U2.C13@4495.05,3054.57 v1(4514.73,3074.26) ; U2.C13@4495.05,3059.42 ccw(c4495.05,3071.11) 4503.31,3062.84 ccw(c4511.58,3054.57) U2.C13@4499.89,3054.57 ; v1@4510.73,3074.26 cw(c4501.08,3074.26) 4507.9,3067.43 cw(c4514.73,3060.6) v1@4514.73,3070.26
  Mid-Layer 4 w7: P1.37@4426.6,3966.6 cw(c4382.16,3922.16) 4445,3922.16 cw(c4507.84,3922.16) P1.37@4463.4,3966.6 ; P1.37@4431.55,3971.55 cw(c4399.06,3939.06) 4445,3939.06 cw(c4490.94,3939.06) P1.37@4458.45,3971.55 ; P1.37@4445,3970 4445,3902 4445,3891 4445,3880 cw(c4434,3880) 4434,3869 4427.64,3869 ccw(c4427.64,3858) 4416.64,3858 ccw(c4427.64,3858) 4427.64,3847 4434,3847 cw(c4434,3836) 4445,3836 4445,3830 4445,3822 4514,3753 4514,3659.21 4497.89,3643.1 4497.89,3213.84 4495.05,3211 4495.05,3093.95 v1(4514.73,3074.26) ; v1@4509.23,3074.26 ccw(c4495.95,3074.26) 4505.34,3083.65 ccw(c4514.73,3093.04) v1@4514.73,3079.76